# Allegro board pc051b_toplevel_177.brd (continued)
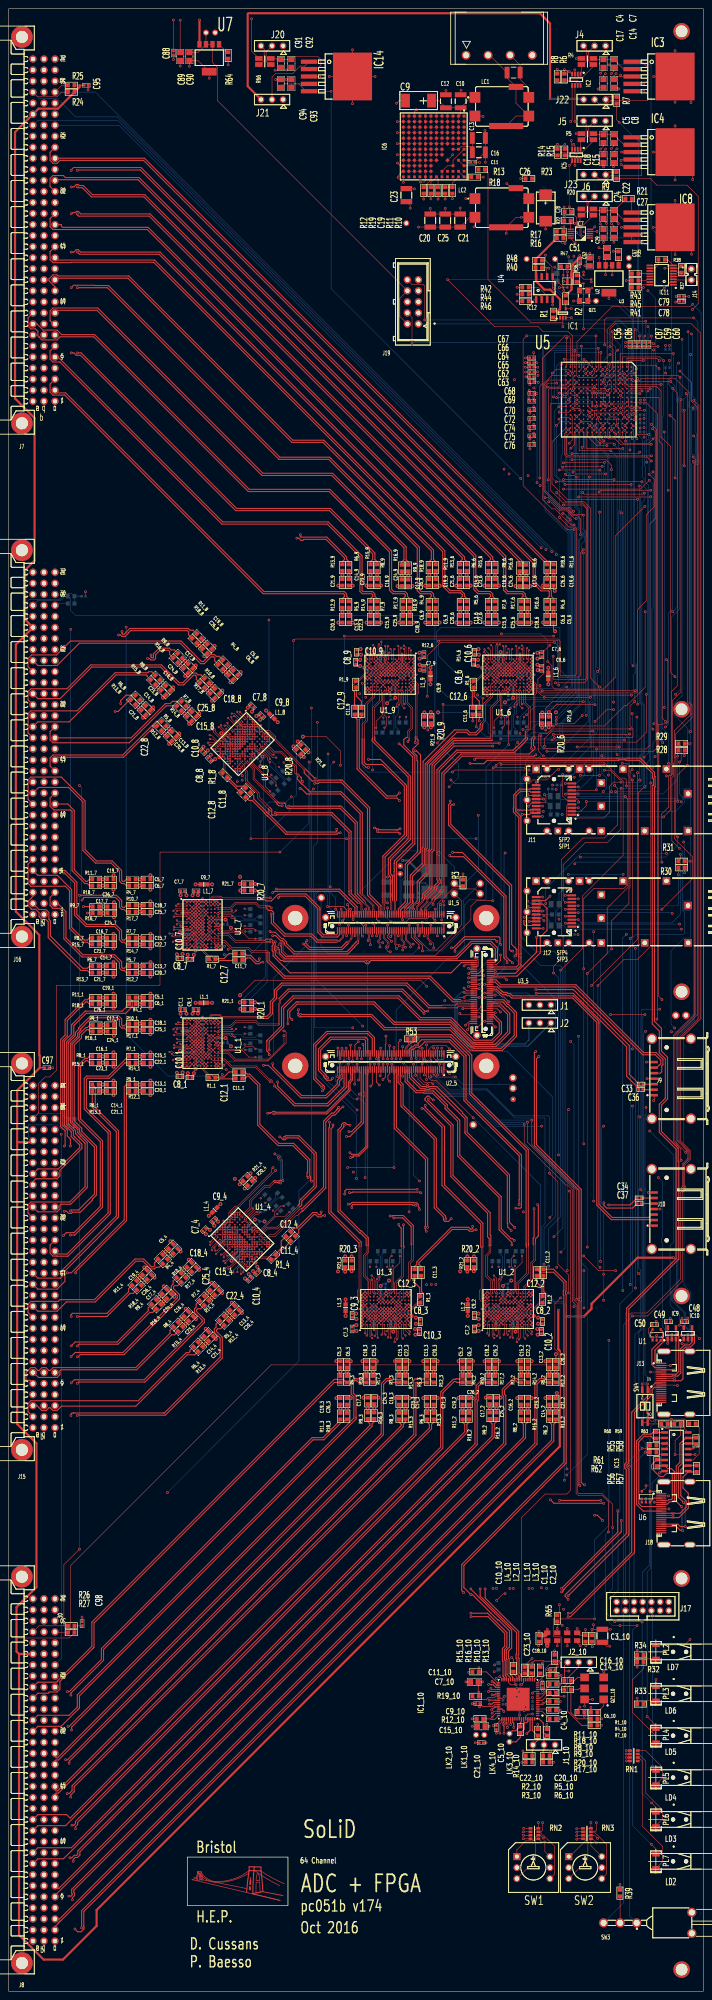
[diagram p0: board, top side]
## Routing (per net, layer and track width the routed paths; a pad name or vN(x,y) marks a point on that pad's centre or on a via; arc(x,y) is an arc through that point) (continued)
P1V8: length 68.3
  TOP w0.13: L4_10.1 v1(124.05,83.35) ; v2(115.05,161) U1_2.G10 v2(115.05,160.2) U1_2.G9 ; v2(115,298.95) U1_6.G10 v2(115,299.75) U1_6.G9 ; v1(145.9,402.5) IC8.5 IC8.4 v1(145.83,404.2) ; U1_9.G9 v2(87.85,299.75) U1_9.G10 v2(87.85,298.95) ; v2(56.68,284.17) U1_8.G10 v2(56.11,284.74) U1_8.G9 ; v2(56.63,175.83) U1_4.G10 v2(56.06,175.26) U1_4.G9 ; C10_10.2 v1(122.15,82.8) ; IC7.4 v1(135.5,404.95) ; v2(48.65,245.4) U1_7.G10 v2(47.85,245.4) U1_7.G9 ; v2(48.65,218.15) U1_1.G10 v2(47.85,218.15) U1_1.G9 ; C27.2 v1(139.4,402.45) ; v2(86.9,161) U1_3.G10 v2(86.9,160.2) U1_3.G9 ; C29.2 v1(137,402.45)
  TOP w0.25: L1_1.2 v3(46.85,227.45) ; R20_1.2 v3(56.75,226.05) ; L1_6.2 v3(124.3,300.75) ; R21_3.2 v3(77.5,169.1) ; R21_9.2 v3(97.25,290.85) ; L1_9.2 v3(97.15,300.75) ; R21_6.2 v3(124.4,290.85) ; R20_4.2 v3(56.77,187.14) ; L1_3.2 v3(77.6,159.2) ; R21_2.2 v3(105.65,169.1) ; R20_9.2 v3(95.75,290.85) ; L1_7.2 v3(46.85,254.7) ; L1_4.2 v3(48.78,181.13) ; R20_7.2 v3(56.75,253.3) ; R20_6.2 v3(122.9,290.77) ; 68.38,285.76 v3(69.05,285.09) ; R20_3.2 v3(79,169.1) ; L1_8.2 v3(61.98,292.02) ; R21_1.2 v3(56.75,227.55) ; R20_2.2 v3(107.15,169.1) ; L1_2.2 v3(105.75,159.2) ; R21_4.2 v3(55.71,188.2) ; R21_7.2 v3(56.75,254.8) ; R20_8.2 v3(67.99,284.03)
  TOP w1: C10_10.2 123.5,81.95 L4_10.1
  BOTTOM w0.25: C3_4.2 56.63,175.97 v2(56.63,175.83) ; v2(56.11,284.74) 56.18,284.74 C4_8.2 ; v2(115,298.95) 115.1,298.85 C3_6.2 ; C3_9.2 87.95,298.85 v2(87.85,298.95) ; C4_9.2 87.9,299.7 v2(87.85,299.75) ; C4_1.2 47.9,218.2 v2(47.85,218.15) ; v2(86.9,160.2) 86.85,160.25 C4_3.2 ; C4_2.2 115,160.25 v2(115.05,160.2) ; C3_2.2 114.95,161.1 v2(115.05,161) ; v2(47.85,245.4) 47.9,245.45 C4_7.2 ; v2(48.65,245.4) 48.75,245.5 C3_7.2 ; v2(56.06,175.26) 56.06,175.33 C4_4.2 ; v2(86.9,161) 86.8,161.1 C3_3.2 ; C4_6.2 115.05,299.7 v2(115,299.75) ; v2(48.65,218.15) 48.75,218.25 C3_1.2 ; C3_8.2 56.82,284.17 v2(56.68,284.17)
P1V8A: length 221.9
  TOP w0.13: U1_8.K3 v2(51.02,287.57) ; U1_8.K3 v2(51.59,287) U1_8.K4 ; U1_8.K3 v2(51.02,286.43) U1_8.L4 v2(51.02,285.3) ; U1_8.K3 v2(50.46,287) U1_8.L3 ; U1_7.D3 v2(43.05,248.6) U1_7.D4 v2(43.05,247.8) ; U1_7.D3 v2(43.05,247.8) ; U1_7.D3 v2(42.25,247.8) U1_7.E3 ; v2(117.4,304.55) U1_6.E3 ; v2(117.4,304.55) U1_6.D3 ; v2(117.4,304.55) U1_6.E4 v2(116.6,304.55) U1_6.E3 ; v2(117.4,304.55) U1_6.D4 v2(118.2,304.55) U1_6.D3 ; U1_6.E3 v2(117.4,305.35) U1_6.D3 ; v2(50.97,173.57) U1_4.E4 v2(51.54,173) U1_4.E3 ; v2(50.97,173.57) U1_4.D4 v2(50.41,174.13) U1_4.D3 ; v2(50.97,173.57) U1_4.E3 ; v2(50.97,173.57) U1_4.D3 ; U1_6.K4 v2(113.4,304.55) U1_6.K3 ; U1_3.L3 v2(89.3,154.6) U1_3.K3 ; U1_6.K3 v2(113.4,305.35) ; U1_6.K3 v2(112.6,305.35) U1_6.L3 ; U1_6.K3 v2(112.6,304.55) U1_6.L4 v2(111.8,303.75) ; U1_1.E3 v2(43.05,219.75) U1_1.E4 v2(43.05,220.55) ; U1_1.E3 v2(43.05,220.55) ; U1_1.E3 v2(42.25,220.55) U1_1.D3 ; U1_8.D3 v2(53.85,290.39) U1_8.E3 ; U1_8.D3 v2(54.98,290.39) U1_8.D4 v2(54.42,289.83) ; U1_8.D3 v2(54.42,289.83) ; U1_4.D3 v2(50.41,173) U1_4.E3 ; v2(43.05,247.8) U1_7.E3 ; v2(43.05,247.8) U1_7.E4 v2(43.05,247) U1_7.E3 ; U1_1.D3 v2(43.05,221.35) U1_1.D4 v2(43.05,220.55) ; U1_1.D3 v2(43.05,220.55) ; U1_3.D3 v2(84.5,154.6) U1_3.E3 ; U1_3.D3 v2(84.5,155.4) ; U1_3.D3 v2(83.7,155.4) U1_3.D4 v2(84.5,155.4) ; U1_2.K3 v2(117.45,154.6) U1_2.L3 ; U1_2.K3 v2(117.45,155.4) U1_2.L4 v2(118.25,156.2) ; U1_2.K3 v2(116.65,154.6) ; U1_2.K3 v2(116.65,155.4) U1_2.K4 ; v2(54.42,289.83) U1_8.E3 ; v2(54.42,289.83) U1_8.E4 v2(53.85,289.26) U1_8.E3 ; v2(112.65,155.4) U1_2.D4 v2(111.85,155.4) U1_2.D3 ; v2(112.65,155.4) U1_2.D3 ; v2(112.65,155.4) U1_2.E3 ; v2(112.65,155.4) U1_2.E4 v2(113.45,155.4) U1_2.E3 ; v2(84.5,155.4) U1_3.E4 v2(85.3,155.4) U1_3.E3 ; v2(84.5,155.4) U1_3.E3 ; U1_4.K3 v2(54.37,170.17) U1_4.L4 v2(55.5,170.17) ; U1_4.K3 v2(53.23,170.17) ; U1_4.K3 v2(53.8,170.74) U1_4.K4 ; U1_4.K3 v2(53.8,169.61) U1_4.L3 ; U1_9.E3 v2(90.25,305.35) U1_9.D3 ; U1_9.E3 v2(90.25,304.55) ; U1_9.E3 v2(89.45,304.55) U1_9.E4 v2(90.25,304.55) ; U1_3.K3 v2(88.5,155.4) U1_3.K4 ; U1_3.K3 v2(88.5,154.6) ; U1_3.K3 v2(89.3,155.4) U1_3.L4 v2(90.1,156.2) ; v2(90.25,304.55) U1_9.D4 v2(91.05,304.55) U1_9.D3 ; v2(90.25,304.55) U1_9.D3 ; U1_9.K3 v2(85.45,305.35) U1_9.L3 ; U1_9.K3 v2(86.25,304.55) U1_9.K4 ; U1_9.K3 v2(85.45,304.55) U1_9.L4 v2(84.65,303.75) ; U1_9.K3 v2(86.25,305.35) ; U1_1.K3 v2(43.05,216.55) U1_1.K4 ; U1_1.K3 v2(42.25,215.75) U1_1.L3 ; U1_1.K3 v2(42.25,216.55) ; U1_1.K3 v2(43.05,215.75) U1_1.L4 v2(43.85,214.95) ; U1_2.D3 v2(112.65,154.6) U1_2.E3 ; U1_7.K3 v2(43.05,243) U1_7.L4 v2(43.85,242.2) ; U1_7.K3 v2(43.05,243.8) U1_7.K4 ; U1_7.K3 v2(42.25,243.8) ; U1_7.K3 v2(42.25,243) U1_7.L3
  TOP w0.25: v3(57.26,166.71) 57.65,166.32 C8_4.2 ; 58.62,293.26 v3(57.95,292.59) ; v3(45.86,285.52) 45.65,285.52 C10_8.2 ; C7_1.2 40.95,225.5 v3(40.95,224.95) ; C7_4.2 45.99,175.58 v3(46.38,175.19) ; C8_9.2 80.4,304.95 v3(80.95,304.95) ; v3(108.25,153.3) 107.7,153.3 C7_2.2 ; C9_4.2 v3(48.21,177.1) ; v3(108.1,304.95) 107.55,304.95 C8_6.2 ; L1_2.1 v3(105.75,155.4) ; v3(42.65,238.5) 42.65,237.95 C8_7.2 ; v3(93.8,155) 94.35,155 C8_3.2 ; v3(40.05,211.45) 39.9,211.3 C10_1.2 ; C9_1.2 v3(43.6,225) ; C10_2.2 121.9,152.25 v3(121.75,152.4) ; C7_3.2 79.55,153.3 v3(80.1,153.3) ; v3(121.8,306.65) 122.35,306.65 C7_6.2 ; C10_3.2 93.75,152.25 v3(93.6,152.4) ; C8_2.2 122.5,155 v3(121.95,155) ; L1_8.1 v3(59.29,294.71) ; L1_6.1 v3(124.3,304.55) ; v3(108.3,307.55) 108.15,307.7 C10_6.2 ; v3(55.28,165.01) 55.28,164.8 C10_4.2 ; v3(40.05,238.7) 39.9,238.55 C10_7.2 ; C8_8.2 47.17,283.15 v3(47.56,283.54) ; L1_7.1 v3(43.05,254.7) ; C7_8.2 56.43,294.81 v3(56.04,294.42) ; v3(42.65,211.25) 42.65,210.7 C8_1.2 ; C9_6.2 v3(121.85,304) ; C9_3.2 v3(80.05,155.95) ; C9_9.2 v3(94.7,304) ; L1_4.1 v3(46.09,178.44) ; C10_9.2 81,307.7 v3(81.15,307.55) ; L1_3.1 v3(77.6,155.4) ; C7_9.2 95.2,306.65 v3(94.65,306.65) ; C9_7.2 v3(43.6,252.25) ; L1_1.1 v3(43.05,227.45) ; C9_2.2 v3(108.2,155.95) ; L1_9.1 v3(97.15,304.55) ; v3(40.95,252.2) 40.95,252.75 C7_7.2
  L5 w0.13: J16.C27 10.67,314.85 ; J16.C27 9.64,313.82 ; J16.C27 10.67,312.79 ; J16.C27 11.7,313.82 ; J7.C27 10.67,432.95 ; J7.C27 10.67,430.89 ; J7.C27 9.64,431.92 ; J7.C27 11.7,431.92 ; J8.C27 11.7,77.62 ; J8.C27 10.67,76.59 ; J8.C27 10.67,78.65 ; J8.C27 9.64,77.62 ; 10.67,194.69 J15.C27 ; J15.C27 9.64,195.72 ; J15.C27 10.67,196.75 ; J15.C27 11.7,195.72
  BOTTOM w0.13: v2(89.3,154.6) 89.3,153.95 C2_3.2 ; v2(89.3,154.6) v2(88.5,154.6) ; v2(89.3,154.6) v2(89.3,155.4) v2(88.5,155.4) v2(88.5,154.6) ; v2(86.25,305.35) v2(86.25,304.55) v2(85.45,304.55) v2(85.45,305.35) ; v2(86.25,305.35) 85.65,305.95 C2_9.2 ; v2(86.25,305.35) 86.65,305.75 C28_9.2 C2_9.2 ; v2(86.25,305.35) v2(85.45,305.35) ; v2(88.5,154.6) 89.1,154 C2_3.2 ; v2(88.5,154.6) 88.1,154.2 C28_3.2 C2_3.2 ; v2(85.45,305.35) 85.45,306 C2_9.2 ; v2(43.85,214.95) C27_1.2 ; v2(42.25,243.8) v2(42.25,243) ; v2(42.25,243.8) v2(43.05,243.8) v2(43.05,243) v2(42.25,243) ; v2(42.25,243.8) 41.65,243.2 C2_7.2 ; v2(42.25,243.8) 41.85,244.2 C28_7.2 C2_7.2 ; v2(42.25,243) 41.6,243 C2_7.2 ; v2(51.02,287.57) 51.02,288.13 C28_8.2 C2_8.2 ; v2(51.02,287.57) v2(50.46,287) ; v2(51.02,287.57) v2(51.59,287) v2(51.02,286.43) v2(50.46,287) ; v2(51.02,287.57) 50.17,287.57 C2_8.2 ; v2(50.41,173) 49.84,173 C1_4.2 ; C2_4.2 C28_4.2 52.67,170.17 v2(53.23,170.17) ; C2_4.2 53.23,169.32 v2(53.23,170.17) ; C2_4.2 53.34,169.15 v2(53.8,169.61) ; R2_8.2 v2(54.98,288.13) ; v2(42.25,215.75) 41.6,215.75 C2_1.2 ; v2(42.25,215.75) v2(43.05,215.75) v2(43.05,216.55) v2(42.25,216.55) ; v2(42.25,215.75) v2(42.25,216.55) ; v2(116.65,154.6) 117.25,154 C2_2.2 ; v2(116.65,154.6) v2(117.45,154.6) ; v2(116.65,154.6) v2(116.65,155.4) v2(117.45,155.4) v2(117.45,154.6) ; v2(116.65,154.6) 116.25,154.2 C28_2.2 C2_2.2 ; v2(113.4,305.35) 112.8,305.95 C2_6.2 ; v2(113.4,305.35) v2(113.4,304.55) v2(112.6,304.55) v2(112.6,305.35) ; v2(113.4,305.35) 113.8,305.75 C28_6.2 C2_6.2 ; v2(113.4,305.35) v2(112.6,305.35) ; v2(50.46,287) 50,287.46 C2_8.2 ; C1_3.2 84.1,154.2 v2(84.5,154.6) ; v2(42.25,247.8) 41.85,248.2 C1_7.2 ; C2_6.2 112.6,306 v2(112.6,305.35) ; C1_8.2 53.85,290.96 v2(53.85,290.39) ; v2(42.25,216.55) 41.85,216.95 C28_1.2 C2_1.2 ; v2(42.25,216.55) 41.65,215.95 C2_1.2 ; C2_2.2 117.45,153.95 v2(117.45,154.6) ; C1_9.2 90.65,305.75 v2(90.25,305.35) ; v2(118.25,156.2) C27_2.2 ; R2_1.2 v2(44.65,219.75) ; R2_2.2 v2(113.45,157) ; v2(53.23,170.17) v2(53.8,170.74) v2(54.37,170.17) v2(53.8,169.61) ; v2(53.23,170.17) v2(53.8,169.61) ; v2(84.65,303.75) C27_9.2 ; v2(111.8,303.75) C27_6.2 ; v2(90.1,156.2) C27_3.2 ; C1_1.2 41.85,220.95 v2(42.25,220.55) ; C1_6.2 117.8,305.75 v2(117.4,305.35) ; R2_7.2 v2(44.65,247) ; v2(112.65,154.6) 112.25,154.2 C1_2.2 ; R2_4.2 v2(52.67,174.13) ; v2(55.5,170.17) C27_4.2 ; R2_9.2 v2(89.45,302.95) ; v2(51.02,285.3) C27_8.2 ; R2_3.2 v2(85.3,157) ; R2_6.2 v2(116.6,302.95) ; v2(43.85,242.2) C27_7.2
P1V8C: length 64
  TOP w0.13: C69.2 v1(120.95,366.7) ; v1(121.8,372.65) 121.75,372.6 C65.2 ; U5.J6 134.95,368.75 ; 134.95,368.75 U5.K6 ; 134.95,368.75 v1(134.95,369.25) 134.85,369.15 133,369.15 ; C66.2 v1(121.63,374.75) ; 133.4,367.65 U5.L8 U5.L9 U5.L10 U5.K11 134.89,363.75 ; 133.4,367.65 133.14,367.65 133,367.78 133,369.15 ; 133.4,367.65 U5.L7 ; 134.89,363.15 140,363.15 U5.D12 ; 134.89,363.15 134.89,363.75 ; 134.89,363.15 134.89,362.24 U5.K13 ; 130,369.15 129.86,369.15 v1(129.86,368.3) ; 130,369.15 130,371.35 U5.P3 ; 130,369.15 133,369.15 ; U4.4 127.75,392.09 126.35,393.49 126.35,398.1 LK17.1 ; U4.4 127.75,391.45 v1(127.85,391.35) ; U4.4 127.7,392 v1(126.85,392) ; U4.4 U4.5 ; 134.89,363.75 U5.J11 ; C67.2 v1(120.9,377.05) ; U5.D5 140.48,369.75 v1(140.85,370.12) ; C70.2 v1(120.95,364.6) ; C74.2 v1(120.95,360.6) ; C75.2 v1(120.95,358.55) ; v1(122,370.2) 121.8,370.4 C63.2 120.95,371.45 C62.2 ; C68.2 v1(121.6,367.65) ; C72.2 v1(120.95,362.6) ; C64.2 v1(121.85,373.7) ; C76.2 v1(120.95,356.6)
  L4 w0.13: v1(134.95,369.25) 139.98,369.25 v1(140.85,370.12) ; v1(120.95,368.95) 121.46,368.44 129.72,368.44 v1(129.86,368.3)
  BOTTOM w0.13: v1(126.85,392) 126.2,392.65 C77.2
P2V2: length 119.7
  TOP w0.13: 92.19,426.91 IC6.L5 ; IC6.L5 91.68,426.4 ; IC6.L5 92.69,426.4 ; IC6.L5 92.19,425.9 ; 95.23,423.87 94.72,423.87 ; 94.72,423.87 94.72,423.36 ; 94.72,423.87 94.22,423.87 ; 94.72,423.87 94.72,424.37 ; 92.19,420.56 IC6.L10 ; IC6.L10 92.19,419.55 ; IC6.L10 91.68,420.06 ; IC6.L10 92.69,420.06 ; 91.42,418.79 IC6.M11 ; IC6.M11 90.73,418.79 ; IC6.M11 90.92,419.29 ; IC6.M11 90.92,418.28 ; 93.96,426.4 IC6.K5 ; IC6.K5 93.45,426.91 ; IC6.K5 92.95,426.4 ; IC6.K5 93.45,425.9 ; IC6.K1 93.45,432.5 v1(93.9,432.95) ; IC6.K1 93.45,430.98 ; IC6.K1 93.96,431.49 ; IC6.K1 92.95,431.49 ; 90.92,426.91 IC6.M5 ; IC6.M5 90.41,426.4 ; IC6.M5 91.42,426.4 ; IC6.M5 90.92,425.9 ; IC6.M4 v1(89.53,427.68) ; IC6.M4 90.92,428.18 ; IC6.M4 91.42,427.68 ; IC6.M4 90.92,427.17 ; IC6.L11 92.19,418.28 ; IC6.L11 92.69,418.79 ; IC6.L11 91.68,418.79 ; IC6.L11 92.19,419.29 ; 94.72,428.94 94.22,428.94 ; 94.72,428.94 94.72,428.44 ; 94.72,428.94 95.23,428.94 ; 94.72,428.94 94.72,429.45 ; 94.72,420.06 94.22,420.06 ; 94.72,420.06 95.23,420.06 ; 94.72,420.06 94.72,419.55 ; 94.72,420.06 94.72,420.56 ; 91.42,421.32 IC6.M9 ; IC6.M9 90.41,421.32 ; IC6.M9 90.92,421.83 ; IC6.M9 90.92,420.82 ; 94.72,422.6 94.72,422.09 ; 94.72,422.6 95.23,422.6 ; 94.72,422.6 94.72,423.1 ; 94.72,422.6 94.22,422.6 ; 90.73,418.79 90.41,418.79 ; 90.73,418.79 89.7,417.75 v1(89.7,417.4) ; C25.2 C20.2 v1(97.1,410.25) ; C25.2 v1(100.55,410.25) ; C25.2 C21.2 v1(104,410.35) ; 92.19,430.72 IC6.L2 ; IC6.L2 92.69,430.21 ; IC6.L2 92.19,429.71 ; IC6.L2 91.68,430.21 ; 90.92,431.99 IC6.M1 ; IC6.M1 90.41,431.49 ; IC6.M1 90.92,430.98 ; IC6.M1 91.42,431.49 ; 93.96,422.6 IC6.K8 ; IC6.K8 93.45,422.09 ; IC6.K8 93.45,423.1 ; IC6.K8 92.95,422.6 ; 92.69,428.94 IC6.L3 ; IC6.L3 92.19,429.45 ; IC6.L3 91.68,428.94 ; IC6.L3 92.19,428.44 ; 91.42,423.87 IC6.M7 ; IC6.M7 90.92,424.37 ; IC6.M7 90.92,423.36 ; IC6.M7 90.41,423.87 ; IC6.L7 91.68,423.87 ; IC6.L7 92.69,423.87 ; IC6.L7 92.19,424.37 ; IC6.L7 92.19,423.36 ; v1(98.9,412.4) C19.2 R11.2 v1(100.55,412.4) ; 95.23,421.32 94.72,421.32 ; 94.72,421.32 94.22,421.32 ; 94.72,421.32 94.72,420.82 ; 94.72,421.32 94.72,421.83 ; 92.69,427.68 IC6.L4 ; IC6.L4 92.19,427.17 ; IC6.L4 91.68,427.68 ; IC6.L4 92.19,428.18 ; 94.72,430.21 94.72,429.71 ; 94.72,430.21 94.22,430.21 ; 94.72,430.21 94.72,430.72 ; 94.72,430.21 95.23,430.21 ; IC6.K6 92.95,425.13 ; IC6.K6 93.45,424.63 ; IC6.K6 93.96,425.13 ; IC6.K6 93.45,425.64 ; IC6.M6 v1(89.52,425.13) ; IC6.M6 91.42,425.13 ; IC6.M6 90.92,424.63 ; IC6.M6 90.92,425.64 ; 93.45,430.72 IC6.K2 ; IC6.K2 92.95,430.21 ; IC6.K2 93.96,430.21 ; IC6.K2 93.45,429.71 ; IC6.K11 92.95,418.79 ; IC6.K11 93.96,418.79 ; IC6.K11 93.45,418.28 ; IC6.K11 93.45,419.29 ; 93.45,428.18 IC6.K4 ; IC6.K4 93.45,427.17 ; IC6.K4 93.96,427.68 ; IC6.K4 92.95,427.68 ; IC6.K9 93.45,420.82 ; IC6.K9 92.95,421.32 ; IC6.K9 93.96,421.32 ; IC6.K9 93.45,421.83 ; 94.72,431.49 94.72,430.98 ; 94.72,431.49 95.23,431.49 ; 94.72,431.49 94.72,431.99 ; 94.72,431.49 94.22,431.49 ; IC6.L9 92.19,420.82 ; IC6.L9 91.68,421.32 ; IC6.L9 92.19,421.83 ; IC6.L9 92.69,421.32 ; IC6.M2 v1(89.52,430.21) ; IC6.M2 90.92,430.72 ; IC6.M2 90.92,429.71 ; IC6.M2 91.42,430.21 ; 95.23,418.79 94.72,418.79 ; 94.72,418.79 94.72,419.29 ; 94.72,418.79 94.72,418.28 ; 94.72,418.79 94.22,418.79 ; IC6.K10 92.95,420.06 ; IC6.K10 93.96,420.06 ; IC6.K10 93.45,420.56 ; IC6.K10 93.45,419.55 ; 92.69,422.6 IC6.L8 ; IC6.L8 92.19,423.1 ; IC6.L8 91.68,422.6 ; IC6.L8 92.19,422.09 ; 94.72,426.91 94.72,426.4 ; 94.72,426.4 94.72,425.9 ; 94.72,426.4 94.22,426.4 ; 94.72,426.4 95.23,426.4 ; IC6.M8 90.92,422.09 ; IC6.M8 91.42,422.6 ; IC6.M8 v1(89.5,422.6) ; IC6.M8 90.92,423.1 ; v1(93.45,414.75) 93.4,414.8 C23.2 ; IC6.K3 93.45,428.44 ; IC6.K3 93.96,428.94 ; IC6.K3 93.45,429.45 ; IC6.K3 92.95,428.94 ; IC6.M3 90.41,428.94 ; IC6.M3 90.92,428.44 ; IC6.M3 90.92,429.45 ; IC6.M3 91.42,428.94 ; IC6.K7 92.95,423.87 ; IC6.K7 93.45,423.36 ; IC6.K7 93.45,424.37 ; IC6.K7 93.96,423.87 ; 90.92,420.56 IC6.M10 ; IC6.M10 90.92,419.55 ; IC6.M10 91.42,420.06 ; IC6.M10 90.19,420.06 v1(89.56,420.69) ; v1(105.3,412.5) LC2.1 ; R12.1 v1(95.6,412.4) ; 92.19,425.64 IC6.L6 ; IC6.L6 91.68,425.13 ; IC6.L6 92.69,425.13 ; IC6.L6 92.19,424.63 ; 94.72,425.13 94.22,425.13 ; 94.72,425.13 94.72,425.64 ; 94.72,425.13 94.72,424.63 ; 94.72,425.13 95.23,425.13 ; 95.23,427.68 94.72,427.68 ; 94.72,427.68 94.22,427.68 ; 94.72,427.68 94.72,427.17 ; 94.72,427.68 94.72,428.18 ; 92.69,431.49 IC6.L1 ; IC6.L1 91.68,431.49 ; IC6.L1 92.19,430.98 ; IC6.L1 92.19,431.99
  L5 w0.13: 91.6,406.04 LK13.1 ; LK13.1 92.41,406.85 ; LK13.1 91.6,407.66 ; LK13.1 90.79,406.85
P2V2_FILTERED: length 12
  TOP w0.13: 118.37,412.5 LC2.2 ; LC2.2 119.8,413.93 ; LC2.2 121.23,412.5 ; 130.87,410.1 R20.1 ; 125.34,413.4 C28.1 ; C28.1 123.7,412 ; C28.1 123.7,414.8 ; C28.1 122.06,413.4 ; 121.18,417.1 C26.2
P2V5: length 39.8
  TOP w0.13: v1(139.3,419.85) 139.4,419.95 C15.2 ; U2_5.10 98.25,216.7 v1(97.85,217.1) ; v1(141.1,420.35) 141.65,419.8 IC4.5 ; v1(156.65,390) C79.2 C78.2 ; C18.2 v1(137,419.8) ; U2_5.8 v1(98.75,217.05) ; v1(99.75,217.03) U2_5.4 ; U2_5.4 U2_5.2 ; U2_5.4 99.75,214.4 ; 99.75,214.4 100.08,214.4 100.25,214.57 ; 99.75,214.4 99.04,214.4 ; v1(98.2,246.4) 98.25,246.45 U1_5.10 ; v1(141.05,421.25) 141.3,421.5 IC4.4 ; v1(156.95,80.95) 155.7,79.7 LD7.1
  TOP w0.18: U1_5.10 v1(98.25,249.03) ; v1(98.2,246.4) 97.75,246.85 U1_5.12 ; U2_5.8 98.75,214.69 99.04,214.4 ; U2_5.2 100.25,214.57
  BOTTOM w0.13: C81.2 C80.2 94.4,248.45 C83.2 C82.2 96.7,247.9 v1(98.2,246.4)
P3V3: length 1061.2
  TOP w0.13: R22.2 v1(127.95,408.4) ; v1(128.15,402.2) 127.45,402.2 R16.2 ; L1_10.1 v1(128.65,83.5) ; v1(127.5,84.25) 126.95,84.8 126.35,84.8 ; C49.2 151.31,153.86 151.31,150.59 IC9.1 v1(151.8,149.09) ; R23.2 127.95,409.55 v1(127.95,410.55) ; v1(155.1,154.9) 155.2,154.8 C48.2 ; R39.2 v1(140.8,24.6) ; 134.7,83.3 v1(134.7,84.35) ; 134.7,83.3 C3_10.2 v1(138.6,83.3) ; 134.7,83.3 134.4,83.3 v1(134.35,83.25) C2_10.2 ; C50.2 147.4,152.55 147.4,151.34 v1(148.31,150.43) U1.1 ; v1(154.92,151) 155,150.92 155,150.6 IC10.1 ; IC3.4 v1(146.3,438.9) ; 1.8,81.3 13.9,81.3 R27.2 R26.2 16.85,84.1 C98.2 ; v1(132.55,404.85) 132.95,404.45 IC7.3 ; v1(140.55,437.75) 140.2,438.1 C14.2 ; L2_10.1 v1(126.35,83.5) 126.35,84.8 ; 16.35,438.6 R25.2 ; v1(130.45,402.3) 129.5,403.25 IC7.10 ; v1(130.95,83.45) L3_10.1 131.5,81.95 C1_10.2 v1(132.85,83.25) ; v1(129.6,425.85) 129.6,424.85 129.78,424.67 IC5.4 ; 55.05,455.03 55.18,455.16 ; IC2.4 129.7,441.15 v1(129.1,441.75) ; 126.35,84.8 R65.2 ; IC3.5 v1(146.3,437.2) ; v1(127.9,406) 127.3,406 R17.2 ; R28.1 155.75,284.5 v1(155.6,284.35) ; v1(135.75,437.7) 136.15,438.1 C17.2 ; LD6.1 v1(149.1,71.75) ; R30.1 155.75,257.45 v1(155.7,257.4) ; R15.2 v1(128.1,424.95)
  TOP w0.25: C97.2 7.15,212.5 ; 126.93,136.3 127.06,136.43 127.06,147.29 126.95,147.4 ; C95.2 16.35,438.6
  TOP w0.5: R1.2 126.45,386.65 IC1.5 127,389.3 124.75,391.55 123.4,391.55 121.5,393.45 IC12.8 121.45,394.6 121.45,396.5 R40.2 R48.2 121.35,398.5 R16.2 ; v1(132.5,155.3) 134.25,157.05 134.25,158.2 144.85,168.8 v1(153.15,168.8) ; 2.38,77.62 1.8,78.2 1.8,88.4 6.4,93 6.4,126.07 1.95,130.52 1.95,195.37 ; 2.38,77.62 2.38,12.97 8.05,7.3 12.5,7.3 20.25,15.05 20.25,18.7 126.93,125.38 126.93,136.3 ; 2.38,77.62 J8.A27 ; 16.35,438.6 16.35,438.2 R24.2 11.35,433.2 6.87,433.2 J7.A27 1.47,427.8 1.47,366.5 5.96,362.01 5.96,329.21 3.78,327.03 3.78,315.63 J16.A27 1.65,309.88 1.65,248.45 7.05,243.05 7.05,215.4 7.15,215.3 7.15,212.5 1.95,207.3 1.95,195.37 ; 55.18,455.16 122.34,455.16 124.7,452.8 v1(124.7,435.45) ; J15.A27 5.24,195.37 1.95,195.37 ; J21.3 55.05,438.37 55.05,455.03 ; v1(126.6,156.75) 126.6,147.75 126.95,147.4
  L3 w0.5: v1(128.95,155.3) 128.95,156.3 127.7,157.55 127.1,157.55 126.6,157.05 v1(126.6,156.75)
  L5 w0.13: 116.07,28.46 SW1.C1 ; SW1.C1 118.03,28.46 ; SW1.C1 117.05,27.48 ; SW1.C1 117.05,29.44 ; J17.2 140.99,89.6 ; J17.2 140.05,88.66 ; J17.2 139.11,89.6 ; LK8.1 156,225.54 ; LK8.1 156,223.56 ; LK8.1 155.01,224.55 ; 123.69,28.46 SW1.C2 ; SW1.C2 125.65,28.46 ; SW1.C2 124.67,29.44 ; SW1.C2 124.67,27.48 ; 136.62,27.48 SW2.C2 ; SW2.C2 136.62,29.44 ; SW2.C2 137.6,28.46 ; SW2.C2 135.64,28.46 ; 132.42,434.36 J22.3 ; J22.3 132.42,436.24 ; J22.3 131.48,435.3 ; J22.3 133.36,435.3 ; 128.02,28.46 SW2.C1 ; SW2.C1 129,29.44 ; SW2.C1 129.98,28.46 ; SW2.C1 129,27.48
  BOTTOM w0.13: J15.A27 4.5,196.81 4.5,199.32 4.55,199.37 11.23,199.37 12.2,198.4 14.45,198.4 R50.2 R49.2 ; 127.1,274.23 127.1,273.48 126.55,272.93 L2.1 ; 127.1,274.23 127.1,275.45 ; 127.1,274.23 130.79,274.23 130.98,274.43 154.18,274.43 v1(154.9,273.7) ; 132.27,435.45 J22.3 ; 129.45,244.4 128.6,244.4 127.75,245.25 L5.2 125.95,246.05 125.95,248.43 126.75,249.23 L3.1 126.75,252.6 C40.2 ; 129.45,244.4 v1(154.95,244.4) ; 129.45,244.4 C42.2 ; 127.1,275.45 127,275.45 L4.2 ; 127.1,275.45 127.1,277.4 C30.2 127.25,278.25 C31.2 ; v1(155.7,257.4) 155.7,264.2 v1(155.45,264.45) ; J16.A27 4.35,315.06 4.35,319.85 4.75,320.25 11.68,320.25 13.12,321.69 14.46,321.69 R51.2 R52.2
  BOTTOM w0.25: C96.2 R51.2
  BOTTOM w0.5: v1(124.7,435.45) 132.27,435.45 ; v1(128.95,155.3) v1(132.5,155.3)
P3V3_FPGA: length 320.9
  TOP w0.13: 96.75,247.36 97.01,247.36 97.25,247.6 U1_5.14 ; 96.75,247.36 96.75,247.1 96.51,246.86 92.29,246.86 91.51,246.07 v1(88.03,246.07) ; 96.75,247.36 U1_5.16 ; 66.85,438.89 65.1,438.89 ; 66.85,438.89 68.54,437.2 IC14.5 v1(74.27,437.2) ; 66.85,438.89 66.85,438.9 IC14.4 ; 65.1,438.89 C93.2 ; 65.1,438.89 63.49,438.89 C94.2 ; v1(125.55,311.83) v1(77.32,311.83)
  L4 w0.13: v1(125.55,311.83) 126.2,311.19 126.2,302.5 126.95,301.75 129.2,301.75 130,302.55 130,334.6 117.95,346.65 v1(117.95,348.1)
  BOTTOM w0.13: v1(88.03,246.07) 85.66,248.43 78.32,248.43 77.32,249.43 v1(77.32,311.83) ; v1(74.27,437.2) 74.27,391.78 v1(117.95,348.1)
P3V3C: length 65.9
  TOP w0.13: 138.4,367.3 U5.F7 138.8,368.15 138.8,370.35 U5.F4 137.93,370.28 137.93,369.68 137,368.75 137,368.75 ; 138.4,367.3 U5.F8 U5.F9 137.8,365.15 137.8,364.75 ; 138.4,367.3 v1(137.9,367.3) ; v1(134.19,393.36) 134.19,393.95 132.44,393.95 131.54,394.85 R36.2 ; C87.2 v1(145.25,380.9) ; 137.8,364.75 137.8,364.49 137.45,364.15 136.8,364.15 U5.H11 ; 137.8,364.75 U5.F10 ; IC13.16 155.65,129.44 155.65,131.22 155.6,131.27 154.02,131.27 R59.1 R60.2 151.11,131.24 148.54,131.24 148.5,131.2 148,131.2 147.65,131.55 147.65,131.71 147.54,131.82 147.38,131.82 147.15,132.05 v1(147.15,132.06) ; 137,368.75 U5.G6 ; 137,368.75 U5.H6 ; U3.3 v1(137.5,395) ; U3.3 137.5,398.9 C57.2 ; U3.3 U3.2 v1(139,394.95) ; v1(144.3,382.35) 144.2,382.25 C86.2 ; R45.2 R43.2 142.9,395.9 LK14.1 ; R45.2 v1(142.25,393.65) ; R45.2 R41.2 ; C60.2 148.25,379.4 v1(148.55,379.1) ; C59.2 146.35,380.7 v1(146.55,380.9) ; v1(134.35,391.95) 133.75,391.35 QZ1.4 ; v1(151,391.9) 152.41,393.31 IC11.2 ; U6.1 v1(145.82,113.3) ; C56.2 v1(142.1,379.4)
  BOTTOM w0.13: C61.2 v1(131.35,376.45) ; C58.2 v1(145.45,361.75) C84.2 v1(145.45,359.7) C85.2 ; C54.2 v1(151.3,372.35) ; C53.2 v1(151.3,378.7) ; C55.2 v1(145.5,366.15)
  vias: v1(133.03,374.96)
P5V: length 104.9
  TOP w0.13: v1(55.95,453.9) 55.95,446.43 R66.1 ; v1(133.85,399.9) C52.2 ; v1(136,398.95) U3.4 ; R47.2 129.65,396.85 ; v1(139.3,400.4) 139.35,400.35 R35.2 ; v1(130.7,427.45) R5.1 ; v1(39.5,453.55) C89.2 ; v1(37.95,453.6) C88.2 ; v1(130.75,444.75) R4.1
  TOP w0.5: R2.2 129.65,391.55 U4.6 U4.1 129.65,397.05 131.2,398.6 C51.2 v1(131.55,399.4) ; v1(43.95,453.6) U7.4
  L5 w0.13: 132.42,417.06 J23.3 ; J23.3 131.48,418 ; J23.3 132.42,418.94 ; J23.3 133.36,418 ; J7.A32 6.62,444.62 ; J7.A32 4.56,444.62 ; J7.A32 5.59,445.65 ; 119.4,445.5 J3.4 ; J3.4 120.59,444.31 ; J3.4 120.59,446.69 ; J3.4 121.78,445.5 ; 9.64,444.62 J7.C32 ; J7.C32 10.67,445.65 ; J7.C32 11.7,444.62
  BOTTOM w0.13: 11.7,444.62 J7.C32 9.64,444.62 ; 5.59,209.45 J15.A32 ; J15.A32 5.59,207.39 ; J15.A32 4.56,208.42 ; J15.A32 6.62,208.42 ; J16.C32 9.64,326.52 ; J16.C32 10.67,325.49 ; J16.C32 10.67,327.55 ; J8.A32 4.56,90.32 ; J8.A32 5.59,89.29 ; J8.A32 6.62,90.32 ; J8.A32 5.59,91.35 ; J7.A32 4.56,444.62 ; J7.A32 6.62,444.62 ; J7.A32 5.59,445.65 ; J15.C32 9.64,208.42 ; J15.C32 10.67,209.45 ; J15.C32 10.67,207.39 ; v1(129,399.1) 129,398.05 129.2,398.05 ; 129.2,398.05 130.2,398.05 ; 129.2,398.05 129.2,397.85 C73.2 ; 10.67,91.35 J8.C32 ; J8.C32 9.64,90.32 ; J8.C32 10.67,89.29 ; J16.A32 4.56,326.52 ; J16.A32 6.62,326.52 ; J16.A32 5.59,325.49 ; J16.A32 5.59,327.55 ; 130.2,398.05 v1(130.2,399.25) ; 130.2,398.05 C71.2 ; v1(87.25,256.4) C3.1
  BOTTOM w0.5: v1(90.75,260.2) 92,260.2 94.3,257.9 L1.2
VDD_CLK40: length 24.3
  TOP w0.17: v1(127.25,72.7) R11_10.2 126.1,73.7 C18_10.2 126.35,74.55 v1(126.35,74.65) ; R5_10.2 124.6,54.95 v1(124.85,55.2) ; v1(126.69,75.95) C23_10.2 123.29,75.95 123.18,76.06 121.07,76.06 v1(120.55,75.54) 120.45,75.44 R10_10.2 ; C21_10.2 v1(109.95,57.2) ; IC1_10.60 119.1,63.31 119.59,63.8 v1(120.65,63.8) ; IC1_10.32 113.6,71.93 v1(113.13,72.4) ; C15_10.2 v1(110.65,61) ; IC1_10.46 111.8,64.45 v1(111.35,64) ; v1(118.45,55.3) 118.45,54.85 R2_10.2 ; R9_10.2 v1(127.05,66.7)
  TOP w1: L4_10.2 v1(124.05,79.5)
  L5 w0.13: 109.55,58.19 LK1_10.1 ; LK1_10.1 109.55,59.81 ; LK1_10.1 110.36,59
VDD_OSC: length 7.4
  TOP w0.17: v1(132.65,65.6) QZ1_10.6 v1(134.49,67.16) ; L3_10.2 130.95,80.2 v1(131.65,79.5) ; R1_10.2 v1(134.1,65.35) ; v1(131.59,65.4) 131.1,64.91 C6_10.2
VDDA_CLK40: length 7.5
  TOP w0.17: R19_10.1 v1(108.3,68.84) 108.15,68.99 C7_10.2 v1(109.19,71.2) ; L1_10.2 v1(128.65,79.5) ; IC1_10.13 122.7,69.45 v1(122.95,69.2) C4_10.2
VDDO_CLK40: length 36.7
  TOP w0.17: 116.6,70.52 115.67,70.52 115.1,71.09 IC1_10.29 ; 116.6,70.52 IC1_10.26 ; 116.6,70.52 v1(116.88,70.52) ; v1(108.45,65.46) 108.5,65.51 C9_10.2 109.2,65.5 111.53,65.5 111.98,65.95 IC1_10.43 ; IC1_10.52 115.1,61.94 115.01,61.85 115.01,60.86 v1(114.85,60.7) ; v1(111.05,69.7) 111.3,69.45 IC1_10.36 ; v1(111.61,61.15) C5_10.2 112.35,61.45 IC1_10.49 113.6,62.02 113.15,61.57 v1(113.15,59.4) ; v1(108.3,74.44) C11_10.2 110.05,73.5 112.6,70.95 IC1_10.33 112.85,71.5 v1(112.35,72) ; v1(114.22,67.9) 113.78,67.45 IC1_10.40 ; L2_10.2 v1(126.35,79.5) ; v1(117.65,63.54) 117.6,63.49 IC1_10.57 ; v1(118.15,70.6) 118.6,71.05 IC1_10.22
  BOTTOM w0.17: C13_10.2 114.22,67.33 v1(114.22,67.9) ; C19_10.2 112.35,73.55 v1(111.85,73.55) ; C8_10.2 v1(120.65,67.6) ; C17_10.2 v1(117.65,63.54) ; v1(118.15,70.6) 118.1,70.55 C12_10.2
VIN_DCDC: length 33.4
  TOP w0.13: v1(101.55,211.2) 100.65,212.1 U2_5.1 ; U1_5.4 U1_5.2 v1(100.25,250) ; U1_5.4 U1_5.6 ; U1_5.4 99.75,250.45 v1(100.15,250.85)
  TOP w0.18: v1(99.4,250.05) 99.25,249.9 U1_5.6 ; v1(100.25,210.92) 99.75,211.42 U2_5.3 ; v1(99.25,213.33) U2_5.5 ; v1(100.25,213.33) U2_5.1 ; v1(98.75,210.87) U2_5.7
  BOTTOM w0.13: v1(100.25,213.33) v1(99.25,213.33) 99.25,210.87 ; 99.25,210.87 v1(98.75,210.87) ; 99.25,210.87 100.2,210.87 v1(100.25,210.92) ; v1(100.2,252.55) 99.85,252.9 L1.1 97.75,252.6 C1.2
  BOTTOM w0.25: L1.1 95.9,255.05 C2.1
ADC_CSA<0>: length 201.3
  TOP w0.13: v1(107.71,290.95) 107.71,294.34 107.81,294.44 108.79,294.44 109.09,294.74 109.09,297.39 v1(109.25,297.55) ; v1(122.58,288.88) 122.58,286.6 123.18,286 126.48,286 127.92,287.44 144.61,287.44 146.87,289.7 v1(146.87,298.44) ; v1(132.85,373.25) 133.35,373.75 U5.L1 ; U1_6.L5 v2(111.8,302.95)